# Altium PCB XuperMousePCB.PcbDoc (part 2 of 3) (continued)
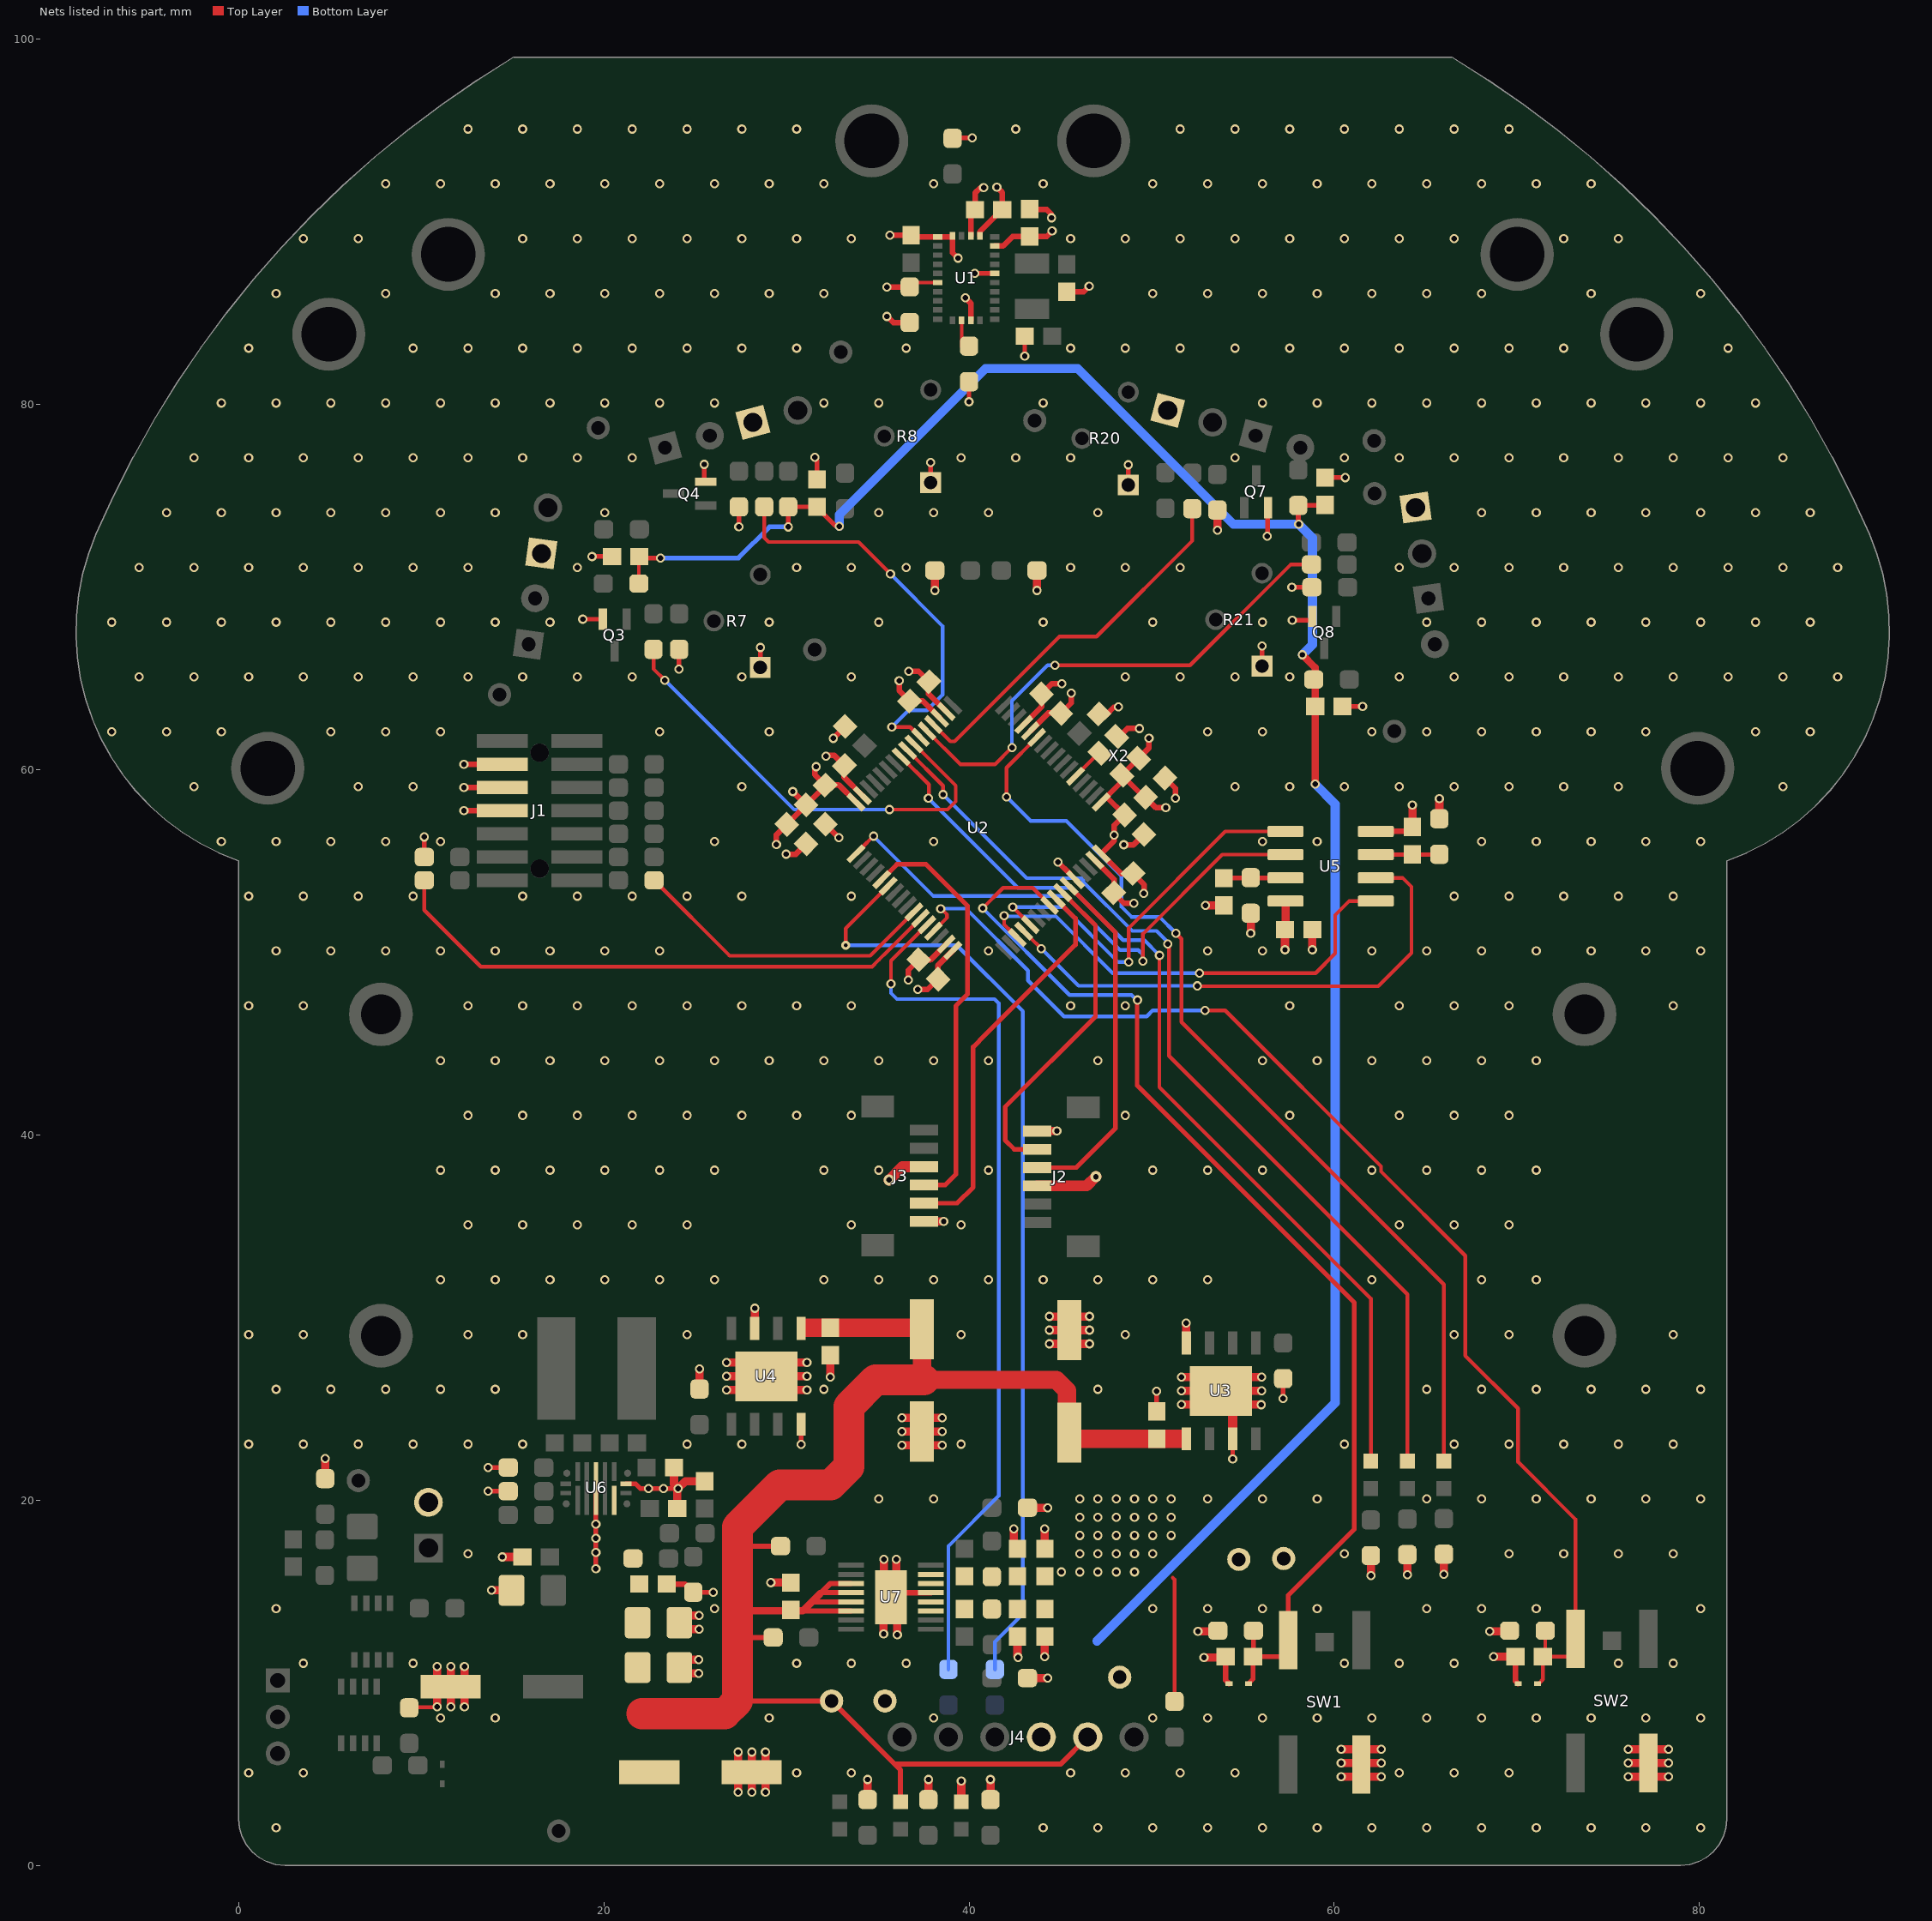
[diagram p4: the nets of this part, all layers, seen from the top]
## Part data (continued)
R62: library part RES, "Res Thick Film 0603 237K Ohm 1% 0.1W(1/10W) ±100ppm/C Pad SMD Automotive T/R", Case/Package=0603, Manufacturer="Yageo Group", Manufacturer Part Number=AC0603FR-07237KL, Max Operating Temperature=155°C, Max Power Dissipation=100mW, Min Operating Temperature=-55°C, Ratings=AEC-Q200, Supplier Part Number 1=59AK3101, Temperature Coefficient=100ppm/°C, Tolerance=1%, Voltage Rating=75V, Category="Chip SMD Resistors", China RoHS=Non-Compliant, ComponentLink1Description=https://datasheet.octopart.com:443/AC0603FR-07237KL-Yageo-datasheet-182189377.pdf?src-supplier=IHS, ComponentLink1URL=https://datasheet.octopart.com:443/AC0603FR-07237KL-Yageo-datasheet-182189377.pdf?src-supplier=IHS, ComponentLink2Description=https://datasheet.octopart.com:443/AC0603FR-07237KL-Yageo-datasheet-86786639.pdf?src-supplier=Upverter, ComponentLink2URL=https://datasheet.octopart.com:443/AC0603FR-07237KL-Yageo-datasheet-86786639.pdf?src-supplier=Upverter, ComponentLink3Description=https://datasheet.octopart.com:443/AC0603FR-07237KL-Yageo-datasheet-178509465.pdf?src-supplier=Farnell, ComponentLink3URL=https://datasheet.octopart.com:443/AC0603FR-07237KL-Yageo-datasheet-178509465.pdf?src-supplier=Farnell, ComponentLink4Description=https://datasheet.octopart.com/AC0603FR-07237KL-Yageo-datasheet-12512238.pdf, ComponentLink4URL=https://datasheet.octopart.com/AC0603FR-07237KL-Yageo-datasheet-12512238.pdf, ComponentLink5Description=http://sigma.octopart.com:80/conflict_mineral_statement/Yageo-company-3.pdf?src-supplier=Compliance+Statements, ComponentLink5URL=http://sigma.octopart.com:80/conflict_mineral_statement/Yageo-company-3.pdf?src-supplier=Compliance+Statements, ComponentLink6Description=http://sigma.octopart.com:80/rohs_statement/Yageo-company-2.pdf?src-supplier=Compliance+Statements, ComponentLink6URL=http://sigma.octopart.com:80/rohs_statement/Yageo-company-2.pdf?src-supplier=Compliance+Statements, Composition="Thick Film", Features="Automotive AEC-Q200, Moisture Resistant", Height=450µm, Length=1.6mm, Lifecycle Status=Production, Mounting Technology="Surface Mount", Number of Terminals=2, Number of Terminations=2, Packaging="Tape & Reel", Power Rating=100mW, Pricing="1=0.103, 25=0.008 (USD)", REACH SVHC=Yes, RoHS=Compliant, Stock=9242, Supplier 1=Avnet, Width=800µm, Working Voltage=75V
R63: library part RES, "Fixed Resistor, Thin Film, 0.1W, 357000ohm, 75V, 0.1% +/-Tol, 25ppm/Cel, Surface Mount, 0603", Case Code (Imperial)=0603, Case Code (Metric)=1608, Manufacturer="Yageo Group", Manufacturer Part Number=RT0603BRD07357KL, Max Operating Temperature=155°C, Max Power Dissipation=100mW, Min Operating Temperature=-55°C, Supplier Part Number 1=13-RT0603BRD07357KLCT-ND, Temperature Coefficient=25ppm/°C, Tolerance=0.1%, Voltage Rating=75V, Case/Package=0603, Category="Chip SMD Resistors", China RoHS=Non-Compliant, ComponentLink1Description=https://datasheet.octopart.com:443/RT0603BRD07357KL-Yageo-datasheet-176402239.pdf?src-supplier=Future+Electronics, ComponentLink1URL=https://datasheet.octopart.com:443/RT0603BRD07357KL-Yageo-datasheet-176402239.pdf?src-supplier=Future+Electronics, ComponentLink2Description=https://datasheet.octopart.com:443/RT0603BRD07357KL-Yageo-datasheet-169971040.pdf?src-supplier=Future+Electronics, ComponentLink2URL=https://datasheet.octopart.com:443/RT0603BRD07357KL-Yageo-datasheet-169971040.pdf?src-supplier=Future+Electronics, ComponentLink3Description=https://datasheet.octopart.com:443/RT0603BRD07357KL-Yageo-datasheet-96443642.pdf?src-supplier=Upverter, ComponentLink3URL=https://datasheet.octopart.com:443/RT0603BRD07357KL-Yageo-datasheet-96443642.pdf?src-supplier=Upverter, ComponentLink4Description=https://datasheet.octopart.com/RT0603BRD07357KL-Yageo-datasheet-86813807.pdf, ComponentLink4URL=https://datasheet.octopart.com/RT0603BRD07357KL-Yageo-datasheet-86813807.pdf, ComponentLink5Description=http://sigma.octopart.com:80/conflict_mineral_statement/Yageo-company-3.pdf?src-supplier=Compliance+Statements, ComponentLink5URL=http://sigma.octopart.com:80/conflict_mineral_statement/Yageo-company-3.pdf?src-supplier=Compliance+Statements, ComponentLink6Description=http://sigma.octopart.com:80/rohs_statement/Yageo-company-2.pdf?src-supplier=Compliance+Statements, ComponentLink6URL=http://sigma.octopart.com:80/rohs_statement/Yageo-company-2.pdf?src-supplier=Compliance+Statements, Composition="Thin Film", Features="Moisture Resistant", Height=450µm, Length=1.6mm, Lifecycle Status=Production, Mounting Technology="Surface Mount", Number of Terminals=2, Number of Terminations=2, Packaging="Tape & Reel", Power Rating=100mW, Pricing="1=0.1, 10=0.063, 25=0.0584, 50=0.055, 100=0.0519, 250=0.0482, 500=0.04558, 1000=0.04319 (USD)", REACH SVHC=Yes, RoHS=Compliant, Stock=5405, Supplier 1=DigiKey, Termination=SMD/SMT, Width=800µm, Working Voltage=75V
R64: library part RES, "100mW Thick Film Resistors 75V ±100ppm/℃ ±1% 210kΩ 0603 Chip Resistor - Surface Mount ROHS", Case Code (Imperial)=0603, Manufacturer="Yageo Group", Manufacturer Part Number=RC0603FR-07210KL, Max Operating Temperature=155°C, Max Power Dissipation=100mW, Min Operating Temperature=-55°C, Supplier Part Number 1=49AK1945, Temperature Coefficient=100ppm/°C, Tolerance=1%, Voltage Rating=75V, Voltage Rating (DC)=50V, Case/Package=0603, Category="Chip SMD Resistors", China RoHS=Non-Compliant, ComponentLink1Description=https://datasheet.octopart.com:443/RC0603FR-07210KL-Yageo-datasheet-175887523.pdf?src-supplier=Newark, ComponentLink1URL=https://datasheet.octopart.com:443/RC0603FR-07210KL-Yageo-datasheet-175887523.pdf?src-supplier=Newark, ComponentLink2Description=https://datasheet.octopart.com:443/RC0603FR-07210KL-Yageo-datasheet-103092701.pdf?src-supplier=Upverter, ComponentLink2URL=https://datasheet.octopart.com:443/RC0603FR-07210KL-Yageo-datasheet-103092701.pdf?src-supplier=Upverter, ComponentLink3Description=https://datasheet.octopart.com:443/RC0603FR-07210KL-Yageo-Group-datasheet-189192902.pdf?src-supplier=TME, ComponentLink3URL=https://datasheet.octopart.com:443/RC0603FR-07210KL-Yageo-Group-datasheet-189192902.pdf?src-supplier=TME, ComponentLink4Description=https://datasheet.octopart.com:443/RC0603FR-07210KL-Yageo-Group-datasheet-176638170.pdf?src-supplier=Future+Electronics, ComponentLink4URL=https://datasheet.octopart.com:443/RC0603FR-07210KL-Yageo-Group-datasheet-176638170.pdf?src-supplier=Future+Electronics, ComponentLink5Description=https://datasheet.octopart.com:443/RC0603FR-07210KL-Yageo-datasheet-164759695.pdf?src-supplier=Future+Electronics, ComponentLink5URL=https://datasheet.octopart.com:443/RC0603FR-07210KL-Yageo-datasheet-164759695.pdf?src-supplier=Future+Electronics, ComponentLink6Description=https://datasheet.octopart.com:443/RC0603FR-07210KL-Yageo-datasheet-137700087.pdf?src-supplier=Future+Electronics, ComponentLink6URL=https://datasheet.octopart.com:443/RC0603FR-07210KL-Yageo-datasheet-137700087.pdf?src-supplier=Future+Electronics, ComponentLink7Description=https://datasheet.octopart.com:443/RC0603FR-07210KL-Yageo-datasheet-15599030.pdf?src-supplier=Future+Electronics, ComponentLink7URL=https://datasheet.octopart.com:443/RC0603FR-07210KL-Yageo-datasheet-15599030.pdf?src-supplier=Future+Electronics, ComponentLink8Description=https://datasheet.octopart.com:443/RC0603FR-07210KL-Yageo-datasheet-12596169.pdf?src-supplier=Future+Electronics, ComponentLink8URL=https://datasheet.octopart.com:443/RC0603FR-07210KL-Yageo-datasheet-12596169.pdf?src-supplier=Future+Electronics, ComponentLink9Description=https://datasheet.octopart.com:443/RC0603FR-07210KL-Yageo-datasheet-8328172.pdf?src-supplier=Future+Electronics, ComponentLink9URL=https://datasheet.octopart.com:443/RC0603FR-07210KL-Yageo-datasheet-8328172.pdf?src-supplier=Future+Electronics, ComponentLink10Description=https://datasheet.octopart.com:443/RC0603FR-07210KL-Yageo-datasheet-79472498.pdf?src-supplier=Megastar, ComponentLink10URL=https://datasheet.octopart.com:443/RC0603FR-07210KL-Yageo-datasheet-79472498.pdf?src-supplier=Megastar, ComponentLink11Description=https://datasheet.octopart.com/RC0603FR-07210KL-Yageo-datasheet-73766026.pdf, ComponentLink11URL=https://datasheet.octopart.com/RC0603FR-07210KL-Yageo-datasheet-73766026.pdf, ComponentLink12Description=https://datasheet.octopart.com:443/RC0603FR-07210KL-Yageo-datasheet-118562.pdf?src-supplier=DigiKey, ComponentLink12URL=https://datasheet.octopart.com:443/RC0603FR-07210KL-Yageo-datasheet-118562.pdf?src-supplier=DigiKey, ComponentLink13Description=http://sigma.octopart.com:80/conflict_mineral_statement/Yageo-company-3.pdf?src-supplier=Compliance+Statements, ComponentLink13URL=http://sigma.octopart.com:80/conflict_mineral_statement/Yageo-company-3.pdf?src-supplier=Compliance+Statements, ComponentLink14Description=http://sigma.octopart.com:80/rohs_statement/Yageo-company-2.pdf?src-supplier=Compliance+Statements, ComponentLink14URL=http://sigma.octopart.com:80/rohs_statement/Yageo-company-2.pdf?src-supplier=Compliance+Statements, Composition="Thick Film", Depth=800µm, Features="Moisture Resistant", Height=450µm, Lead Free="Lead Free", Length=1.6mm, Lifecycle Status=Production, Mounting Technology="Surface Mount", Number of Terminals=2, Number of Terminations=2, Packaging="Tape & Reel", Power Rating=100mW, Pricing="1=0.103 (USD)", REACH SVHC=Yes, RoHS=Compliant, Schedule B="8533210045, 8533210045|8533210045|8533210045|8533210045|8533210045", Stock=2692, Supplier 1=Avnet, Termination=SMD/SMT, Width=800µm, Working Voltage=75V
SW1 SW2: library part SW, "Switch Tactile ON OFF SPST Round Button J-Bend 0.02A 15VDC 1.6N SMD Embossed T/R", Case/Package=SMD/SMT, Color=White, Contact Current Rating=20mA, Contact Resistance=100mΩ, Insulation Resistance=100MΩ, Manufacturer=Panasonic, Max Operating Temperature=85°C, Max Voltage Rating (DC)=15V, Min Operating Temperature=-40°C, Mouser Part Number=667-EVQ-Q2S03W, Operating Force=1.6N, Voltage Rating (AC)=250V, Actuator Length=1.3mm, Category="Tactile Switches", ComponentLink1Description=https://datasheet.octopart.com:443/EVQQ2S03W-Panasonic-datasheet-138897726.pdf?src-supplier=Upverter, ComponentLink1URL=https://datasheet.octopart.com:443/EVQQ2S03W-Panasonic-datasheet-138897726.pdf?src-supplier=Upverter, ComponentLink2Description=https://datasheet.octopart.com:443/EVQ-Q2S03W-Panasonic-datasheet-59328990.pdf?src-supplier=IHS, ComponentLink2URL=https://datasheet.octopart.com:443/EVQ-Q2S03W-Panasonic-datasheet-59328990.pdf?src-supplier=IHS, ComponentLink3Description=https://datasheet.octopart.com/EVQ-Q2S03W-Panasonic-datasheet-13267673.pdf, ComponentLink3URL=https://datasheet.octopart.com/EVQ-Q2S03W-Panasonic-datasheet-13267673.pdf, ComponentLink4Description=https://datasheet.octopart.com:443/EVQ-Q2S03W-Panasonic-datasheet-130260655.pdf?src-supplier=TME, ComponentLink4URL=https://datasheet.octopart.com:443/EVQ-Q2S03W-Panasonic-datasheet-130260655.pdf?src-supplier=TME, ComponentLink5Description=https://datasheet.octopart.com:443/EVQ-Q2S03W-Panasonic-datasheet-41178988.pdf?src-supplier=Farnell, ComponentLink5URL=https://datasheet.octopart.com:443/EVQ-Q2S03W-Panasonic-datasheet-41178988.pdf?src-supplier=Farnell, ComponentLink6Description=https://datasheet.octopart.com:443/EVQQ2S03W-Panasonic-datasheet-5314136.pdf?src-supplier=Farnell, ComponentLink6URL=https://datasheet.octopart.com:443/EVQQ2S03W-Panasonic-datasheet-5314136.pdf?src-supplier=Farnell, ComponentLink7Description=https://datasheet.octopart.com:443/EVQ-Q2S03W-Panasonic-datasheet-106547821.pdf?src-supplier=Future+Electronics, ComponentLink7URL=https://datasheet.octopart.com:443/EVQ-Q2S03W-Panasonic-datasheet-106547821.pdf?src-supplier=Future+Electronics, ComponentLink8Description=https://datasheet.octopart.com:443/EVQQ2S03W-Panasonic-datasheet-169147451.pdf?src-supplier=Future+Electronics, ComponentLink8URL=https://datasheet.octopart.com:443/EVQQ2S03W-Panasonic-datasheet-169147451.pdf?src-supplier=Future+Electronics, ComponentLink9Description=https://datasheet.octopart.com:443/EVQ-Q2S03W-Panasonic-datasheet-98950118.pdf?src-supplier=Future+Electronics, ComponentLink9URL=https://datasheet.octopart.com:443/EVQ-Q2S03W-Panasonic-datasheet-98950118.pdf?src-supplier=Future+Electronics, ComponentLink10Description=https://datasheet.octopart.com:443/EVQ-Q2S03W-Panasonic-datasheet-118699.pdf?src-supplier=DigiKey, ComponentLink10URL=https://datasheet.octopart.com:443/EVQ-Q2S03W-Panasonic-datasheet-118699.pdf?src-supplier=DigiKey, Contact Plating=Silver, Current Rating=20mA, Datasheet Link=https://componentsearchengine.com/Datasheets/1/EVQ-Q2S03W.pdf, Depth=6.6mm, Electrical Life=1Mcycles, Geometry.Height=3.3mm, Height=1.8mm, Illumination Type="Illuminated, Non-Illuminated", Lead Free="Lead Free", Length=6.5mm, Life (Cycles)=1Mcycles, Lifecycle Status=Production, Manufacturer Part Number=EVQ-Q2S03W, Manufacturer_Name=Panasonic, Manufacturer_Part_Number=EVQ-Q2S03W, Max Current Rating=20mA, Mechanical Life=1Mcycles, Mounting Technology="Surface Mount", Mouser Price/Stock=https://www.mouser.co.uk/ProductDetail/Panasonic/EVQ-Q2S03W?qs=WwqriLBepZso3gwmd6qd3A%3D%3D, Number of Positions=1, Pricing="2000=0.1459, 4000=0.1396, 6000=0.1359, 8000=0.1332 (USD)", Radiation Hardening=No, REACH SVHC=Yes, RoHS=Compliant, Stock=20000, Supplier 1=Verical, Supplier Part Number 1=EVQ-Q2S03W, Switch Function=Off-Mom, Switch Travel=250µm, Termination=SMD/SMT, Thickness=1.8mm, Throw Configuration=SPST, Voltage Rating (DC)=15V, Width=6mm
SW3: "Switch Slide ON ON SPDT Side Slide 0.1A 12VDC 10000Cycle PC Pins Thru-Hole Bulk", Color=Black, Contact Current Rating=100mA, Contact Resistance=20mΩ, Dielectric Material=Phenolic, Insulation Resistance=100MΩ, Manufacturer="C&K Components", Manufacturer Part Number=OS102011MA1QN1, Max Operating Temperature=70°C, Max Voltage Rating (DC)=12V, Min Operating Temperature=-10°C, Actuator Length=3.9878mm, Actuator Material=Polyoxymethylene, Body Material=Tin, Category="Slide Switches", ComponentLink1Description=https://datasheet.octopart.com:443/OS102011MA1QN1-C%26K-Components-datasheet-165712316.pdf?src-supplier=IHS, ComponentLink1URL=https://datasheet.octopart.com:443/OS102011MA1QN1-C%26K-Components-datasheet-165712316.pdf?src-supplier=IHS, ComponentLink2Description=https://datasheet.octopart.com:443/OS102011MA1QN1-C%26K-Components-datasheet-9645547.pdf?src-supplier=IHS, ComponentLink2URL=https://datasheet.octopart.com:443/OS102011MA1QN1-C%26K-Components-datasheet-9645547.pdf?src-supplier=IHS, ComponentLink3Description=https://datasheet.octopart.com:443/OS102011MA1QN1-C%26K-Components-datasheet-100062965.pdf?src-supplier=Upverter, ComponentLink3URL=https://datasheet.octopart.com:443/OS102011MA1QN1-C%26K-Components-datasheet-100062965.pdf?src-supplier=Upverter, ComponentLink4Description=https://datasheet.octopart.com:443/OS102011MA1QN1-C%26K-Components-datasheet-67873706.pdf?src-supplier=Upverter, ComponentLink4URL=https://datasheet.octopart.com:443/OS102011MA1QN1-C%26K-Components-datasheet-67873706.pdf?src-supplier=Upverter, ComponentLink5Description=https://datasheet.octopart.com:443/OS102011MA1QN1-C%26K-Components-datasheet-77351947.pdf?src-supplier=Electro+Sonic, ComponentLink5URL=https://datasheet.octopart.com:443/OS102011MA1QN1-C%26K-Components-datasheet-77351947.pdf?src-supplier=Electro+Sonic, ComponentLink6Description=https://datasheet.octopart.com:443/OS102011MA1QN1-C%26K-Components-datasheet-142755260.pdf?src-supplier=Electro+Sonic, ComponentLink6URL=https://datasheet.octopart.com:443/OS102011MA1QN1-C%26K-Components-datasheet-142755260.pdf?src-supplier=Electro+Sonic, ComponentLink7Description=https://datasheet.octopart.com:443/OS102011MA1QN1-C%26K-Components-datasheet-44395687.pdf?src-supplier=Electro+Sonic, ComponentLink7URL=https://datasheet.octopart.com:443/OS102011MA1QN1-C%26K-Components-datasheet-44395687.pdf?src-supplier=Electro+Sonic, ComponentLink8Description=https://datasheet.octopart.com:443/OS102011MA1QN1-C%26K-Components-datasheet-14434867.pdf?src-supplier=Electro+Sonic, ComponentLink8URL=https://datasheet.octopart.com:443/OS102011MA1QN1-C%26K-Components-datasheet-14434867.pdf?src-supplier=Electro+Sonic, ComponentLink9Description=https://datasheet.octopart.com:443/OS102011MA1QN1-C%26K-Components-datasheet-13440078.pdf?src-supplier=element14+APAC, ComponentLink9URL=https://datasheet.octopart.com:443/OS102011MA1QN1-C%26K-Components-datasheet-13440078.pdf?src-supplier=element14+APAC, ComponentLink10Description=https://datasheet.octopart.com:443/OS102011MA1QN1-C%26K-Components-datasheet-150821956.pdf?src-supplier=Burklin+Elektronik, ComponentLink10URL=https://datasheet.octopart.com:443/OS102011MA1QN1-C%26K-Components-datasheet-150821956.pdf?src-supplier=Burklin+Elektronik, ComponentLink11Description=https://datasheet.octopart.com:443/OS102011MA1QN1-C%26K-Components-datasheet-24578929.pdf?src-supplier=Future+Electronics, ComponentLink11URL=https://datasheet.octopart.com:443/OS102011MA1QN1-C%26K-Components-datasheet-24578929.pdf?src-supplier=Future+Electronics, ComponentLink12Description=https://datasheet.octopart.com:443/OS102011MA1QN1-C%26K-Components-datasheet-62111170.pdf?src-supplier=Future+Electronics, ComponentLink12URL=https://datasheet.octopart.com:443/OS102011MA1QN1-C%26K-Components-datasheet-62111170.pdf?src-supplier=Future+Electronics, ComponentLink13Description=https://datasheet.octopart.com:443/OS102011MA1QN1-C%26K-Components-datasheet-7283719.pdf?src-supplier=Jameco, ComponentLink13URL=https://datasheet.octopart.com:443/OS102011MA1QN1-C%26K-Components-datasheet-7283719.pdf?src-supplier=Jameco, ComponentLink14Description=https://datasheet.octopart.com:443/OS102011MA1QN1-C%26K-Components-datasheet-62112609.pdf?src-supplier=RS+(Formerly+Allied+Electronics), ComponentLink14URL=https://datasheet.octopart.com:443/OS102011MA1QN1-C%26K-Components-datasheet-62112609.pdf?src-supplier=RS+(Formerly+Allied+Electronics), ComponentLink15Description=https://datasheet.octopart.com:443/OS102011MA1QN1-ITT-datasheet-542779.pdf?src-supplier=Farnell, ComponentLink15URL=https://datasheet.octopart.com:443/OS102011MA1QN1-ITT-datasheet-542779.pdf?src-supplier=Farnell, ComponentLink16Description=http://sigma.octopart.com:80/reach_statement/ITT-company-18.pdf?src-supplier=Compliance+Statements, ComponentLink16URL=http://sigma.octopart.com:80/reach_statement/ITT-company-18.pdf?src-supplier=Compliance+Statements, Contact Material=Brass, Contact Plating=Silver, Contact Style=Non-Shorting, Current Rating=100mA, Depth=8.4mm, Electrical Life=10kcycles, Export Control Classification Number (ECCN) Code=EAR99, Harmonized Tariff Schedule (HTS) Code=8536.50.90.50, Height=4.7mm, Housing Material=Resin, Introduction Date=2006-02-08, Lead Free="Lead Free", Length=8.6mm, Lifecycle Status=Production, Max Current Rating=100mA, Mechanical Life=10kcycles, Mounting Technology="Brackets, PCB, Through Hole", Number of Positions=2, Orientation="Right Angle", Packaging=Bulk, Pricing="1=0.3589, 449=0.3179, 1124=0.3134, 2247=0.2967, 4494=0.2871, 8989=0.2781 (USD)", Radiation Hardening=No, REACH SVHC=Yes, RoHS=Compliant, Stock=944, Supplier 1="Sager Electronics", Supplier Part Number 1=OS102011MA1QN1, Switch Function=On-On, Switch Travel=2mm, Terminal Material=Brass, Termination="PC Pins", Throw Configuration=SPDT, Voltage Rating (DC)=12V, Width=4.4mm
U1: "IMU ACCEL/GYRO/MAG I2C 28LGA / Intelligent 9-axis absolute orientation sensor", Ambient Temperature Range High=85°C, Manufacturer="Bosch Sensortec", Max Supply Voltage=3.6V, Min Operating Temperature=-40°C, Min Supply Voltage=1.7V, Operating Supply Current=12.3mA, Package=None, Availability=Unavailable, Category="Inertial Measurement Units (IMUs)", ComponentLink1Description=https://datasheet.octopart.com:443/BNO055-Bosch-Sensortec-datasheet-127364294.pdf?src-supplier=LKR, ComponentLink1URL=https://datasheet.octopart.com:443/BNO055-Bosch-Sensortec-datasheet-127364294.pdf?src-supplier=LKR, ComponentLink2Description=https://sigma.octopart.com:443/141945489/technical_drawing/Bosch-Sensortec-BNO055.pdf?src-supplier=Upverter, ComponentLink2URL=https://sigma.octopart.com:443/141945489/technical_drawing/Bosch-Sensortec-BNO055.pdf?src-supplier=Upverter, ComponentLink3Description=https://datasheet.octopart.com:443/BNO055-Bosch-Sensortec-datasheet-99733204.pdf?src-supplier=Upverter, ComponentLink3URL=https://datasheet.octopart.com:443/BNO055-Bosch-Sensortec-datasheet-99733204.pdf?src-supplier=Upverter, ComponentLink4Description=https://datasheet.octopart.com:443/BNO055-Bosch-Sensortec-datasheet-97529823.pdf?src-supplier=Upverter, ComponentLink4URL=https://datasheet.octopart.com:443/BNO055-Bosch-Sensortec-datasheet-97529823.pdf?src-supplier=Upverter, ComponentLink5Description=https://datasheet.octopart.com:443/BNO055-Bosch-Sensortec-datasheet-37535188.pdf?src-supplier=Upverter, ComponentLink5URL=https://datasheet.octopart.com:443/BNO055-Bosch-Sensortec-datasheet-37535188.pdf?src-supplier=Upverter, ComponentLink6Description=https://datasheet.octopart.com:443/BNO055-Bosch-Sensortec-datasheet-181953299.pdf?src-supplier=Future+Electronics, ComponentLink6URL=https://datasheet.octopart.com:443/BNO055-Bosch-Sensortec-datasheet-181953299.pdf?src-supplier=Future+Electronics, Height=1.18mm, Interface="I2C, UART", Manufacturer Part Number=BNO055, Max Operating Temperature=85°C, MP=BNO055, Pins=2, Price=None, Pricing="4000=10.57 (USD)", RoHS=Compliant, Supplier 1="Future Electronics", Supplier Part Number 1=BNO055
U2: "RISC Microcontroller, 32-Bit, FLASH, CORTEX-M4 CPU, 100MHz, CMOS, PQFP64", Case/Package=LFQFP, Clock Frequency=26MHz, Frequency=100MHz, Manufacturer=STMicroelectronics, Max Operating Temperature=85°C, Max Supply Current=34.5mA, Max Supply Voltage=3.6V, Min Operating Temperature=-40°C, Min Supply Voltage=1.7V, Mouser Part Number=511-STM32F411RET6TR, Nominal Supply Current=1.8µA, Operating Supply Voltage=3.3V, Supplier Part Number 1=497-19349-1-ND, Temperature Grade=Industrial, ADC Channels (Resolution)="16-Ch 12-Bit", Arrow Part Number=STM32F411RET6TR, Arrow Price/Stock=https://www.arrow.com/en/products/stm32f411ret6tr/stmicroelectronics?utm_currency=USD&region=nac, Category=Microcontrollers, China RoHS=Compliant, ComponentLink1Description=https://datasheet.octopart.com:443/STM32F411RET6TR-STMicroelectronics-datasheet-41919523.pdf?src-supplier=Upverter, ComponentLink1URL=https://datasheet.octopart.com:443/STM32F411RET6TR-STMicroelectronics-datasheet-41919523.pdf?src-supplier=Upverter, ComponentLink2Description=https://datasheet.octopart.com:443/STM32F411RET6TR-STMicroelectronics-datasheet-27102711.pdf?src-supplier=STMicroelectronics, ComponentLink2URL=https://datasheet.octopart.com:443/STM32F411RET6TR-STMicroelectronics-datasheet-27102711.pdf?src-supplier=STMicroelectronics, ComponentLink3Description=https://datasheet.octopart.com:443/STM32F411RET6TR-STMicroelectronics-datasheet-82511007.pdf?src-supplier=SHENGYU+ELECTRONICS, ComponentLink3URL=https://datasheet.octopart.com:443/STM32F411RET6TR-STMicroelectronics-datasheet-82511007.pdf?src-supplier=SHENGYU+ELECTRONICS, Core Architecture="ARM Cortex-M4", Country of Origin="Mainland China, Malaysia, Taiwan", Datasheet Link=https://www.st.com/resource/en/datasheet/stm32f411ce.pdf, EEPROM Memory Size=0B, Export Control Classification Number (ECCN) Code=3A991.A.2, Flash Memory Size=512kB, Geometry.Height=1.6mm, Harmonized Tariff Schedule (HTS) Code=8542.31.00.25, Height - Seated (Max)=1.6mm, Interface="SDIO, USB", Introduction Date=2014-06-19, Length=10mm, Lifecycle Status=Production, Manufacturer Part Number=STM32F411RET6TR, Manufacturer_Name=STMicroelectronics, Manufacturer_Part_Number=STM32F411RET6TR, Memory Format=FLASH, Mouser Price/Stock=https://www.mouser.co.uk/ProductDetail/STMicroelectronics/STM32F411RET6TR?qs=BA62vJVifGpaf6czDatkOw%3D%3D, Number of A/D Converters=1, Number of Channels=16, Number of I2C Channels=3, Number of I/Os=50, Number of Interrupts=16, Number of SPI Channels=5, Number of Terminals=64, Number of Timers/Counters=2, Number of USART Channels=3, Packaging="Tape and Reel", Peripherals=POR, Pricing="1=6.84, 10=5.258, 25=4.864, 100=4.4302, 250=4.2442 (USD)", RAM Size=128kB, REACH SVHC=Yes, RoHS=Compliant, Stock=34, Supplier 1=DigiKey, Terminal Pitch=500µm, Width=10mm
U3 U4: library part DRV8231ADSGR, "50-V, 4.1-A H-bridge motor driver with integrated current regulation & current-sense feedback 8-SO PowerPAD -40 to 150", Manufacturer="Texas Instruments", Manufacturer Lifecycle Status=ACTIVE, Supplier Part Number 1=296-DRV8251ADDARCT-ND, Category="Motor Drivers", ComponentLink2Description=https://datasheet.octopart.com:443/DRV8251ADDAR-Texas-Instruments-datasheet-165811235.pdf?src-supplier=ODG+(Origin+Data+Global), ComponentLink2URL=https://datasheet.octopart.com:443/DRV8251ADDAR-Texas-Instruments-datasheet-165811235.pdf?src-supplier=ODG+(Origin+Data+Global), ComponentLink3Description=https://datasheet.octopart.com:443/DRV8251ADDAR-Texas-Instruments-datasheet-178830255.pdf?src-supplier=LCSC, ComponentLink3URL=https://datasheet.octopart.com:443/DRV8251ADDAR-Texas-Instruments-datasheet-178830255.pdf?src-supplier=LCSC, ComponentLink4Description=http://sigma.octopart.com:80/reach_statement/Texas-Instruments-company-64.pdf?src-supplier=Compliance+Statements, ComponentLink4URL=http://sigma.octopart.com:80/reach_statement/Texas-Instruments-company-64.pdf?src-supplier=Compliance+Statements, ComponentLink5Description=http://sigma.octopart.com:80/conflict_mineral_statement/Texas-Instruments-company-63.pdf?src-supplier=Compliance+Statements, ComponentLink5URL=http://sigma.octopart.com:80/conflict_mineral_statement/Texas-Instruments-company-63.pdf?src-supplier=Compliance+Statements, Height=1.7mm, Length=4.89mm, Lifecycle Status=Production, Manufacturer Part Number=DRV8251ADDAR, Number of Channels=1, Pins=8, Pricing="1=2.25, 10=1.665, 25=1.5196, 100=1.3591, 250=1.28268, 500=1.2366, 1000=1.19866 (USD)", RoHS=Compliant, Stock=6728, Supplier 1=DigiKey, Thickness=1.48mm, Width=3.9mm
  U3: ComponentLink1Description=https://octopart.com:443/opatz8j6/c1?t=7oUKRKkqwphIgwbtNbBc67owxNExsRdXrlPd_sBHnIKi_-H_t5suGGb5ZND4dBnSpUprWKEI1GJbY9qXDqE5wQb54uF2_8cCtleVlQfIIUgNQal_f1XPPx41JvHuqZD8P686xjzcz29DRRHUNopMHhQt6Aun-Q7UtO3W5-WTfdM8Hgmb8mq14zsLVaf9BYQF4kWKKP1vJII8XnOUC2yw6q8reuoLVzCQkwxpJfqf3XVhJXuLLQnsgXc5Zvxap5_H4ldeiGenDzkE71_iLZElw_4WjFZC3t3acjBfqrvQXTF1uguQZXqacgCm7W9f8tf9yLwhTR4Pgx-V1MzeuQJKKgipRE97MCy_LxstRkR3sNYpAlDTbjfaO7-AnMMibebzN-J1q-mELw&src-supplier=Texas+Instruments, ComponentLink1URL=https://octopart.com:443/opatz8j6/c1?t=7oUKRKkqwphIgwbtNbBc67owxNExsRdXrlPd_sBHnIKi_-H_t5suGGb5ZND4dBnSpUprWKEI1GJbY9qXDqE5wQb54uF2_8cCtleVlQfIIUgNQal_f1XPPx41JvHuqZD8P686xjzcz29DRRHUNopMHhQt6Aun-Q7UtO3W5-WTfdM8Hgmb8mq14zsLVaf9BYQF4kWKKP1vJII8XnOUC2yw6q8reuoLVzCQkwxpJfqf3XVhJXuLLQnsgXc5Zvxap5_H4ldeiGenDzkE71_iLZElw_4WjFZC3t3acjBfqrvQXTF1uguQZXqacgCm7W9f8tf9yLwhTR4Pgx-V1MzeuQJKKgipRE97MCy_LxstRkR3sNYpAlDTbjfaO7-AnMMibebzN-J1q-mELw&src-supplier=Texas+Instruments
  U4: ComponentLink1Description=https://octopart.com:443/opatz8j6/c1?t=Gj9IDkYE8sfDnI1AQ8OPnHqI7H6pSVf5TjQsrTRNSfFb2i9Q4E7y6UU0tVNpv_uoOppLbHDr29Be0S0k4dsXsBj-9gVok0f8TON-7LqCOQIvnQH5XUUSK6qV1XxCoSC3IIyjzOJDbsjsD30C2G81fOEWgdAi9tTEL0YTqVgBlAxJkPUr1oD_orBTcTOlqy8LQjJndhkQh3dsRqZAKQuzGR54t0CVOThOeZ_uUhCqRvIOoCKY4GRRNIIIiOkvYVDQVjZDrzRxciuayJCFmhWe2bbu2HGZQ9cORHH4HLGk37RopXHYscM4bRc45aOsixNwKVZGCHcT521wi6UN6PXFqU74gjaycJJAvUxioH527eZvfdREOqnlpyx5aqlzelpdWEqVmK_K5A&src-supplier=Texas+Instruments, ComponentLink1URL=https://octopart.com:443/opatz8j6/c1?t=Gj9IDkYE8sfDnI1AQ8OPnHqI7H6pSVf5TjQsrTRNSfFb2i9Q4E7y6UU0tVNpv_uoOppLbHDr29Be0S0k4dsXsBj-9gVok0f8TON-7LqCOQIvnQH5XUUSK6qV1XxCoSC3IIyjzOJDbsjsD30C2G81fOEWgdAi9tTEL0YTqVgBlAxJkPUr1oD_orBTcTOlqy8LQjJndhkQh3dsRqZAKQuzGR54t0CVOThOeZ_uUhCqRvIOoCKY4GRRNIIIiOkvYVDQVjZDrzRxciuayJCFmhWe2bbu2HGZQ9cORHH4HLGk37RopXHYscM4bRc45aOsixNwKVZGCHcT521wi6UN6PXFqU74gjaycJJAvUxioH527eZvfdREOqnlpyx5aqlzelpdWEqVmK_K5A&src-supplier=Texas+Instruments
U5: "NOR Flash Serial (SPI, Dual SPI, Quad SPI) 3.3V 128M-bit 16M x 8 6ns 8-Pin SOIC Tube", Ambient Temperature Range High=85°C, Case/Package=SOP, Clock Frequency=133MHz, Frequency=104MHz, Manufacturer=Winbond, Max Supply Current=20mA, Max Supply Voltage=3.6V, Min Operating Temperature=-40°C, Min Supply Voltage=2.7V, Operating Supply Voltage=3V, Supplier Part Number 1=W25Q128JVSIQ-ND, Temperature Grade=Industrial, Category=Flash, China RoHS=Compliant, ComponentLink1Description=https://datasheet.octopart.com:443/W25Q128JVSIQ-Winbond-datasheet-181529389.pdf?src-supplier=ODG+(Origin+Data+Global), ComponentLink1URL=https://datasheet.octopart.com:443/W25Q128JVSIQ-Winbond-datasheet-181529389.pdf?src-supplier=ODG+(Origin+Data+Global), ComponentLink2Description=https://sigma.octopart.com:443/138898685/technical_drawing/Winbond-W25Q128JVSIQ.pdf?src-supplier=Upverter, ComponentLink2URL=https://sigma.octopart.com:443/138898685/technical_drawing/Winbond-W25Q128JVSIQ.pdf?src-supplier=Upverter, ComponentLink3Description=https://datasheet.octopart.com:443/W25Q128JVSIQ-Winbond-datasheet-138898757.pdf?src-supplier=Upverter, ComponentLink3URL=https://datasheet.octopart.com:443/W25Q128JVSIQ-Winbond-datasheet-138898757.pdf?src-supplier=Upverter, ComponentLink4Description=https://datasheet.octopart.com:443/W25Q128JVSIQ-Winbond-datasheet-138104337.pdf?src-supplier=Augswan, ComponentLink4URL=https://datasheet.octopart.com:443/W25Q128JVSIQ-Winbond-datasheet-138104337.pdf?src-supplier=Augswan, Export Control Classification Number (ECCN) Code=EAR99, Harmonized Tariff Schedule (HTS) Code=8542.32.00.51, Height=2.16mm, Height - Seated (Max)=2.16mm, Interface=Serial, Introduction Date=2016-11-14, Length=5.23mm, Lifecycle Status=Production, Manufacturer Part Number=W25Q128JVSIQ, Max Operating Temperature=85°C, Memory Format=FLASH, Memory Size=16MB, Number of Circuits=1, Number of Terminals=8, Pricing="1=2.24, 10=2.097, 25=2.0376, 90=1.95322, 180=1.90739, 270=1.88059, 540=1.83506, 1080=1.78986, 5040=1.69147 (USD)", REACH SVHC=Yes, RoHS=Compliant, Schedule B="8542320070, 8542320070|8542320070, 8542320070|8542320070|8542320070, 8542320070|8542320070|8542320070|8542320070", Supplier 1=DigiKey, Terminal Pitch=1.27mm, Width=5.23mm
U6: library part XTPS55285VALR, "22V 8A buck-boost converter with I²C interface 15-WQFN-HR -40 to 125", Manufacturer="Texas Instruments", Manufacturer Lifecycle Status=ACTIVE, Supplier Part Number 1=296-TPS55285VALRCT-ND, Category="Voltage Regulators - Switching", ComponentLink1Description=https://octopart.com:443/opatz8j6/c1?t=tixoSV1gCGqczMocm3I9OKrk8eaKkccHY9g_1ElVG9yucqZVouug_j8Q9OOTnJLvTijulg3rDwt1smdoN-zh07xMNjk_dhfSBkBT8Jkwjzp99TLWFXbbaK4hImVgzE0XFyBXxEvC-qoiY2OTt51xYy0xUbrWQOhaLO_eAozdfx7Rfu2m9J9MhF-17Y7dtTN3NXzLvJgQTEJUUtvNMDRG0FJZCJ29JLnkhbGy2axpQyizEj9FnGfVuPDqxeDNt-U0C-z41GSpYP9T8hdz_-kB1n1XgheAs6UpqiBEm9HzSwg2Lkv_dz2k3xcFx34LUQ3M2UELK1K55e4UrnCF5adijfSlu4bPcfDbhj7FzKH5uV6DMkG0dAiNO6wWqkfATbu_bIVVHTIWfw&src-supplier=Texas+Instruments, ComponentLink1URL=https://octopart.com:443/opatz8j6/c1?t=tixoSV1gCGqczMocm3I9OKrk8eaKkccHY9g_1ElVG9yucqZVouug_j8Q9OOTnJLvTijulg3rDwt1smdoN-zh07xMNjk_dhfSBkBT8Jkwjzp99TLWFXbbaK4hImVgzE0XFyBXxEvC-qoiY2OTt51xYy0xUbrWQOhaLO_eAozdfx7Rfu2m9J9MhF-17Y7dtTN3NXzLvJgQTEJUUtvNMDRG0FJZCJ29JLnkhbGy2axpQyizEj9FnGfVuPDqxeDNt-U0C-z41GSpYP9T8hdz_-kB1n1XgheAs6UpqiBEm9HzSwg2Lkv_dz2k3xcFx34LUQ3M2UELK1K55e4UrnCF5adijfSlu4bPcfDbhj7FzKH5uV6DMkG0dAiNO6wWqkfATbu_bIVVHTIWfw&src-supplier=Texas+Instruments, ComponentLink2Description=http://sigma.octopart.com:80/reach_statement/Texas-Instruments-company-64.pdf?src-supplier=Compliance+Statements, ComponentLink2URL=http://sigma.octopart.com:80/reach_statement/Texas-Instruments-company-64.pdf?src-supplier=Compliance+Statements, ComponentLink3Description=http://sigma.octopart.com:80/conflict_mineral_statement/Texas-Instruments-company-63.pdf?src-supplier=Compliance+Statements, ComponentLink3URL=http://sigma.octopart.com:80/conflict_mineral_statement/Texas-Instruments-company-63.pdf?src-supplier=Compliance+Statements, Copyright="Copyright (C) 2026 Ultra Librarian. All rights reserved.", Datasheet=https://www.ti.com/lit/gpn/tps55285, Height=0m, Length=2.5mm, Lifecycle Status=Production, Manufacturer Part Number=TPS55285VALR, Manufacturer_Name="Texas Instruments", Manufacturer_Part_Number=XTPS55285VALR, Pins=15, Pricing="1=4.03, 10=3.047, 25=2.8016, 100=2.5314, 250=2.4026, 500=2.32496, 1000=2.26108 (USD)", RefDes=RefDes, RoHS=Compliant, Stock=1651, Supplier 1=DigiKey, Thickness=700µm, Topology=Buck-Boost, Type=TYPE, Width=3.5mm
U7: "LDO Regulator Pos 1.215V to 19.5V 0.5A 16-Pin DFN EP", Case/Package=DFN, Current - Output 1=500mA, Dropout Voltage=300mV, Manufacturer="Analog Devices", Manufacturer Lifecycle Status=PRODUCTION, Max Junction Temperature (Tj)=125°C, Max Supply Voltage=20V, Min Current Limit=520mA, Min Input Voltage=1.8V, Min Operating Temperature=-40°C, Output Voltage=19.5V, Category="Voltage Regulators - Linear", ComponentLink1Description=https://datasheet.octopart.com:443/LT3029EDE%23PBF-Analog-Devices-datasheet-26569571.pdf?src-supplier=Upverter, ComponentLink1URL=https://datasheet.octopart.com:443/LT3029EDE%23PBF-Analog-Devices-datasheet-26569571.pdf?src-supplier=Upverter, ComponentLink2Description=https://datasheet.octopart.com:443/LT3029EDE%23PBF-Linear-Technology-datasheet-14357712.pdf?src-supplier=Upverter, ComponentLink2URL=https://datasheet.octopart.com:443/LT3029EDE%23PBF-Linear-Technology-datasheet-14357712.pdf?src-supplier=Upverter, ComponentLink3Description=https://octopart.com:443/opatz8j6/c1?t=qU3BsmE-v0Jwl642rgpeURTQc-MXELaRr_u9bXcgPBo5ECKnDr3SpqE_3OMW_c6eN0TJL6QtafTYwh-e5BLV3jFR2ItgjyRp6tBzPAhLxT7P6tVmFvJLAgY53LcrqwnWSr5pWjSewhzY24Ys5rC48ACBzjQlnxL-TzEJhgISzWrpJN502vrcjSldoLkOj7vuCMX0JStzoG2PEs55GreG1EwIeYH94fj7WwkgIHGyqyf9kv0SFsDCi5tyFECI8SeNJnQ7q4tfy9dkpJCLuotSVZSYa3oW6a2l-Z_ufdKKvwgUJGNOlxNS&src-supplier=Analog+Devices, ComponentLink3URL=https://octopart.com:443/opatz8j6/c1?t=qU3BsmE-v0Jwl642rgpeURTQc-MXELaRr_u9bXcgPBo5ECKnDr3SpqE_3OMW_c6eN0TJL6QtafTYwh-e5BLV3jFR2ItgjyRp6tBzPAhLxT7P6tVmFvJLAgY53LcrqwnWSr5pWjSewhzY24Ys5rC48ACBzjQlnxL-TzEJhgISzWrpJN502vrcjSldoLkOj7vuCMX0JStzoG2PEs55GreG1EwIeYH94fj7WwkgIHGyqyf9kv0SFsDCi5tyFECI8SeNJnQ7q4tfy9dkpJCLuotSVZSYa3oW6a2l-Z_ufdKKvwgUJGNOlxNS&src-supplier=Analog+Devices, ComponentLink4Description=https://datasheet.octopart.com:443/LT3029EDE%23PBF-Linear-Technology-datasheet-10850731.pdf?src-supplier=element14, ComponentLink4URL=https://datasheet.octopart.com:443/LT3029EDE%23PBF-Linear-Technology-datasheet-10850731.pdf?src-supplier=element14, ComponentLink5Description=https://datasheet.octopart.com:443/LT3029EDE%23PBF-Linear-Technology-datasheet-8618308.pdf?src-supplier=Farnell, ComponentLink5URL=https://datasheet.octopart.com:443/LT3029EDE%23PBF-Linear-Technology-datasheet-8618308.pdf?src-supplier=Farnell, ComponentLink6Description=https://datasheet.octopart.com:443/LT3029EDE%23PBF-Linear-Technology-datasheet-15919048.pdf?src-supplier=iiiC, ComponentLink6URL=https://datasheet.octopart.com:443/LT3029EDE%23PBF-Linear-Technology-datasheet-15919048.pdf?src-supplier=iiiC, ComponentLink7Description=https://sigma.octopart.com:443/57695931/technical_drawing/Linear-Technology-LT3029EDE%23PBF.pdf?src-supplier=Linear+Technology, ComponentLink7URL=https://sigma.octopart.com:443/57695931/technical_drawing/Linear-Technology-LT3029EDE%23PBF.pdf?src-supplier=Linear+Technology, ComponentLink8Description=http://sigma.octopart.com:80/conflict_mineral_statement/Analog-Devices-company-33.pdf?src-supplier=Compliance+Statements, ComponentLink8URL=http://sigma.octopart.com:80/conflict_mineral_statement/Analog-Devices-company-33.pdf?src-supplier=Compliance+Statements, ComponentLink9Description=https://octopart.com:443/opatz8j6/c1?t=jok27i-MNVRa9Dhq3FL0hwYfwlJRJZZccGuij5R6W92fxOwJKto8gIFTQQU1_Qf6pCH9HzFn8tf5JlfnvOrx4lLu1QsoSLtkIIxLIXTtAKwdNr2p9E3J2ROxr0s_W8Qr-Va1h5kiAcmwp9inFR6XOGv1kB1-MQCQAJLa-fDnp0VPh61KDA8mv_nec21JJPxi_IfFDVqPuUuo0Ry6VAqLNr5ask5fSzhZy12HbVMTxniUTf5vj1O5FvGuPDqI4Z2D1zCs8dIHTLor02t5hL5wcyzORuYLeUu_VOs4HDqlp9_1QiT72dus&src-supplier=Compliance+Statements, ComponentLink9URL=https://octopart.com:443/opatz8j6/c1?t=jok27i-MNVRa9Dhq3FL0hwYfwlJRJZZccGuij5R6W92fxOwJKto8gIFTQQU1_Qf6pCH9HzFn8tf5JlfnvOrx4lLu1QsoSLtkIIxLIXTtAKwdNr2p9E3J2ROxr0s_W8Qr-Va1h5kiAcmwp9inFR6XOGv1kB1-MQCQAJLa-fDnp0VPh61KDA8mv_nec21JJPxi_IfFDVqPuUuo0Ry6VAqLNr5ask5fSzhZy12HbVMTxniUTf5vj1O5FvGuPDqI4Z2D1zCs8dIHTLor02t5hL5wcyzORuYLeUu_VOs4HDqlp9_1QiT72dus&src-supplier=Compliance+Statements, ComponentLink10Description=https://octopart.com:443/opatz8j6/c1?t=xZc9spvEmlXWbGFw6zM-g55hKd-QdbiqtKjjcrr-w0Kx8hv7C-sfCHjP5KW1KG2fxyCag-HExi8vtK3PezTbE0GiReyOtjb4sG0qETXDXeIHRl3zZg0sJxVE3uBObalYl51sC8EzC0muuJBCAh2veJsRSgJG31bcWWLhWB5JqwrMcO7TvvVCHmppxKw9zvvNA50FdVU0ooSkQ7_CGxTDW0Ur6-GovsRjGthdlqfoONi5pXSBHrtXuuBBzZ7tBYXHWYJRt9IbJmjBzAiN0l2re-ef8YOWJ_vAuDK4kFbMgU64zt7-ScJwCA&src-supplier=Analog+Devices, ComponentLink10URL=https://octopart.com:443/opatz8j6/c1?t=xZc9spvEmlXWbGFw6zM-g55hKd-QdbiqtKjjcrr-w0Kx8hv7C-sfCHjP5KW1KG2fxyCag-HExi8vtK3PezTbE0GiReyOtjb4sG0qETXDXeIHRl3zZg0sJxVE3uBObalYl51sC8EzC0muuJBCAh2veJsRSgJG31bcWWLhWB5JqwrMcO7TvvVCHmppxKw9zvvNA50FdVU0ooSkQ7_CGxTDW0Ur6-GovsRjGthdlqfoONi5pXSBHrtXuuBBzZ7tBYXHWYJRt9IbJmjBzAiN0l2re-ef8YOWJ_vAuDK4kFbMgU64zt7-ScJwCA&src-supplier=Analog+Devices, ComponentLink11Description=https://octopart.com:443/opatz8j6/c1?t=Q6OggpSahTjzGk0DXWHPHtzBqGGwzkBCdT1iEUb96Ul3VEVIEkeXBqS-XliSXzcK4xOGyJN0u4Ev30alFnabA2ZA0p9ngarIAWp9ATXW4zZPhBa4cL-s9-vQ5sKn9vkm9Ic3n7MEBOs7O8MhHApdaXyf5xTkPmFuV920Cuur0SnPm0cNx-4l_zWfRolHdYZfB_mE9tIFp-iWxjd8zNkvBBDh5jz_UJaOBSojPYvpE2JHy43SK-jWlu-vybI5l5NZ4JQ4CYCd4xqtvVZ9B6DNei3fCnAMGaaoGNv7wniK6ES7tiez8MUYZQ&src-supplier=Compliance+Statements, ComponentLink11URL=https://octopart.com:443/opatz8j6/c1?t=Q6OggpSahTjzGk0DXWHPHtzBqGGwzkBCdT1iEUb96Ul3VEVIEkeXBqS-XliSXzcK4xOGyJN0u4Ev30alFnabA2ZA0p9ngarIAWp9ATXW4zZPhBa4cL-s9-vQ5sKn9vkm9Ic3n7MEBOs7O8MhHApdaXyf5xTkPmFuV920Cuur0SnPm0cNx-4l_zWfRolHdYZfB_mE9tIFp-iWxjd8zNkvBBDh5jz_UJaOBSojPYvpE2JHy43SK-jWlu-vybI5l5NZ4JQ4CYCd4xqtvVZ9B6DNei3fCnAMGaaoGNv7wniK6ES7tiez8MUYZQ&src-supplier=Compliance+Statements, Current - Output 2=500mA, Height=800µm, Lifecycle Status=Production, Manufacturer Part Number=LT3029EDE#PBF, Max Operating Temperature=125°C, Min Supply Voltage=1.8V, Mounting Technology="Surface Mount", Number of Channels=1, Number of Outputs=2, Number of Regulators=2, Output Current=500mA, Pins=16, Polarity=Positive, Pricing="1=9.36, 10=7.28, 25=6.93, 50=6.57, 182=6.22, 273=6, 546=5.89 (USD)", REACH SVHC=No, RoHS=Compliant, Schedule B="8542390000, 8542390000|8542390000|8542390000|8542390000|8542390000", Stock=92, Supplier=Newark, Supplier 1=Newark, Supplier Part Number=LT3029EDE#PBF, Supplier Part Number 1=LT3029EDE#PBF, Voltage - Output 1=19.5V, Voltage - Output 2=19.5V